# Altium PCB PCB2.PcbDoc
Units mil, origin at the board's own origin, x right, y up, seen from the top; angles counter-clockwise.
Board outline 3500 x 2610 mil, 2 copper layers (Top Layer, Bottom Layer); 20 components, 23 nets, 95 pads, 7 vias.
Unrouted connection lines stored in the file: 4.
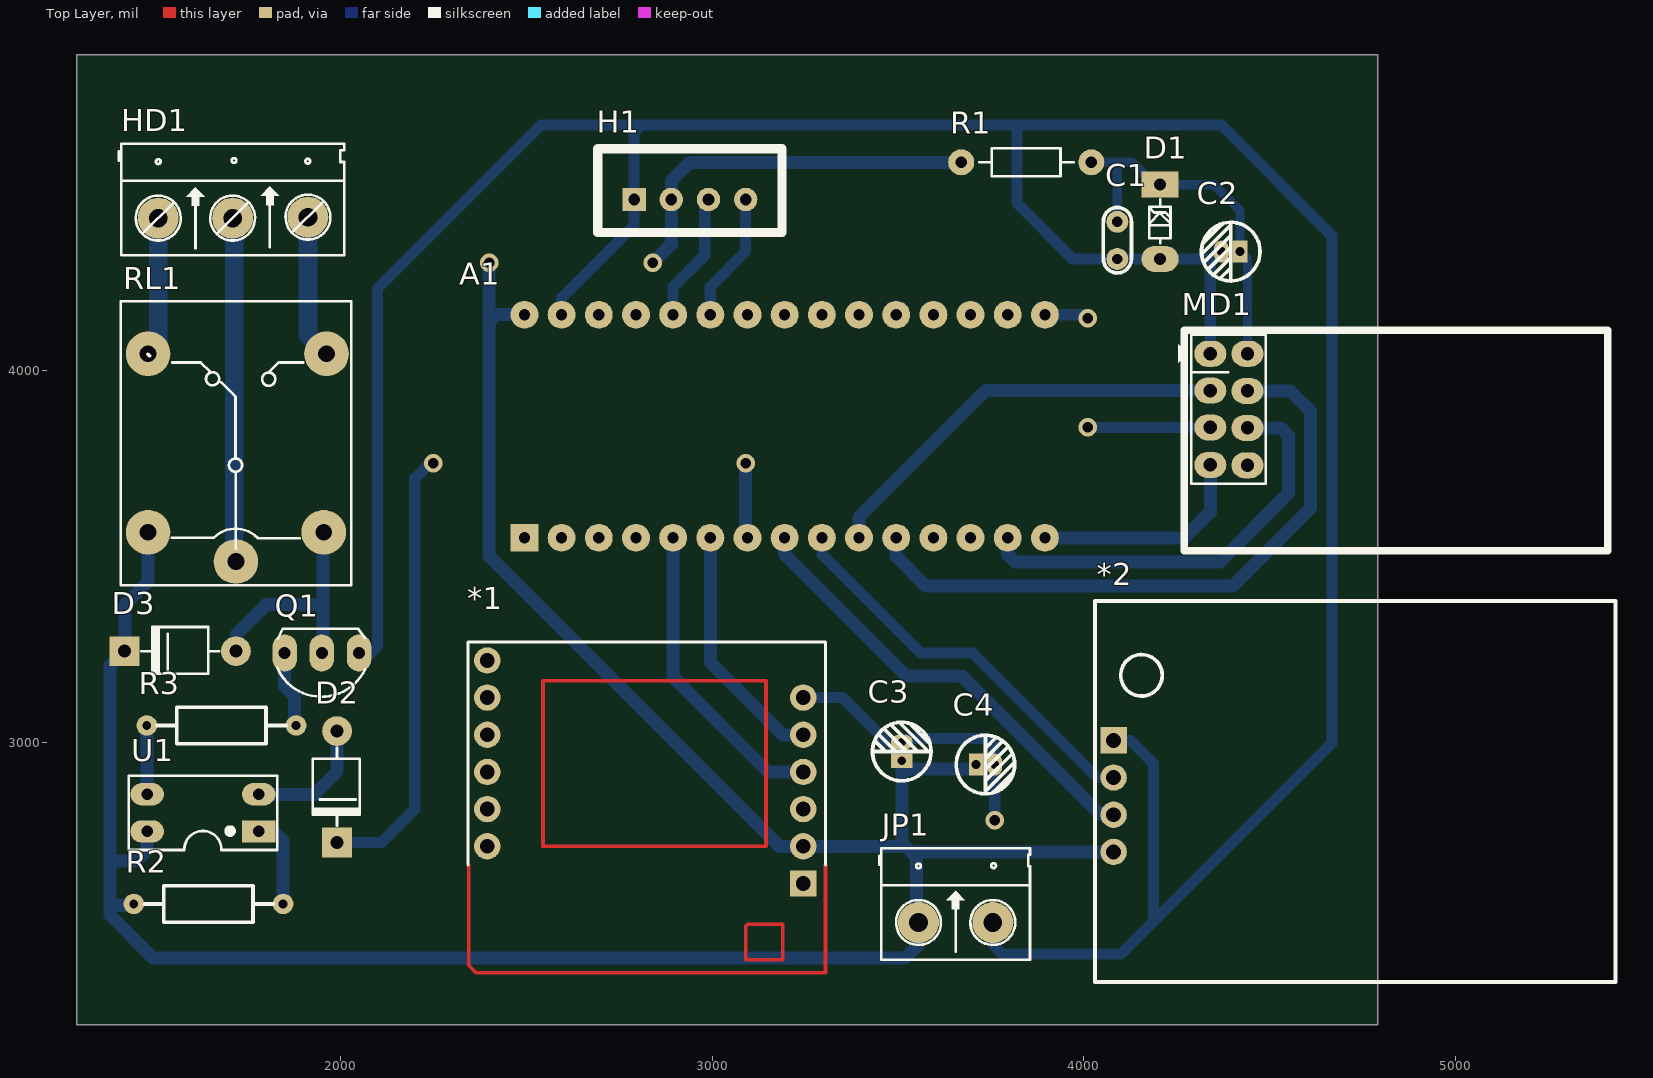
[diagram p0: Top Layer view]
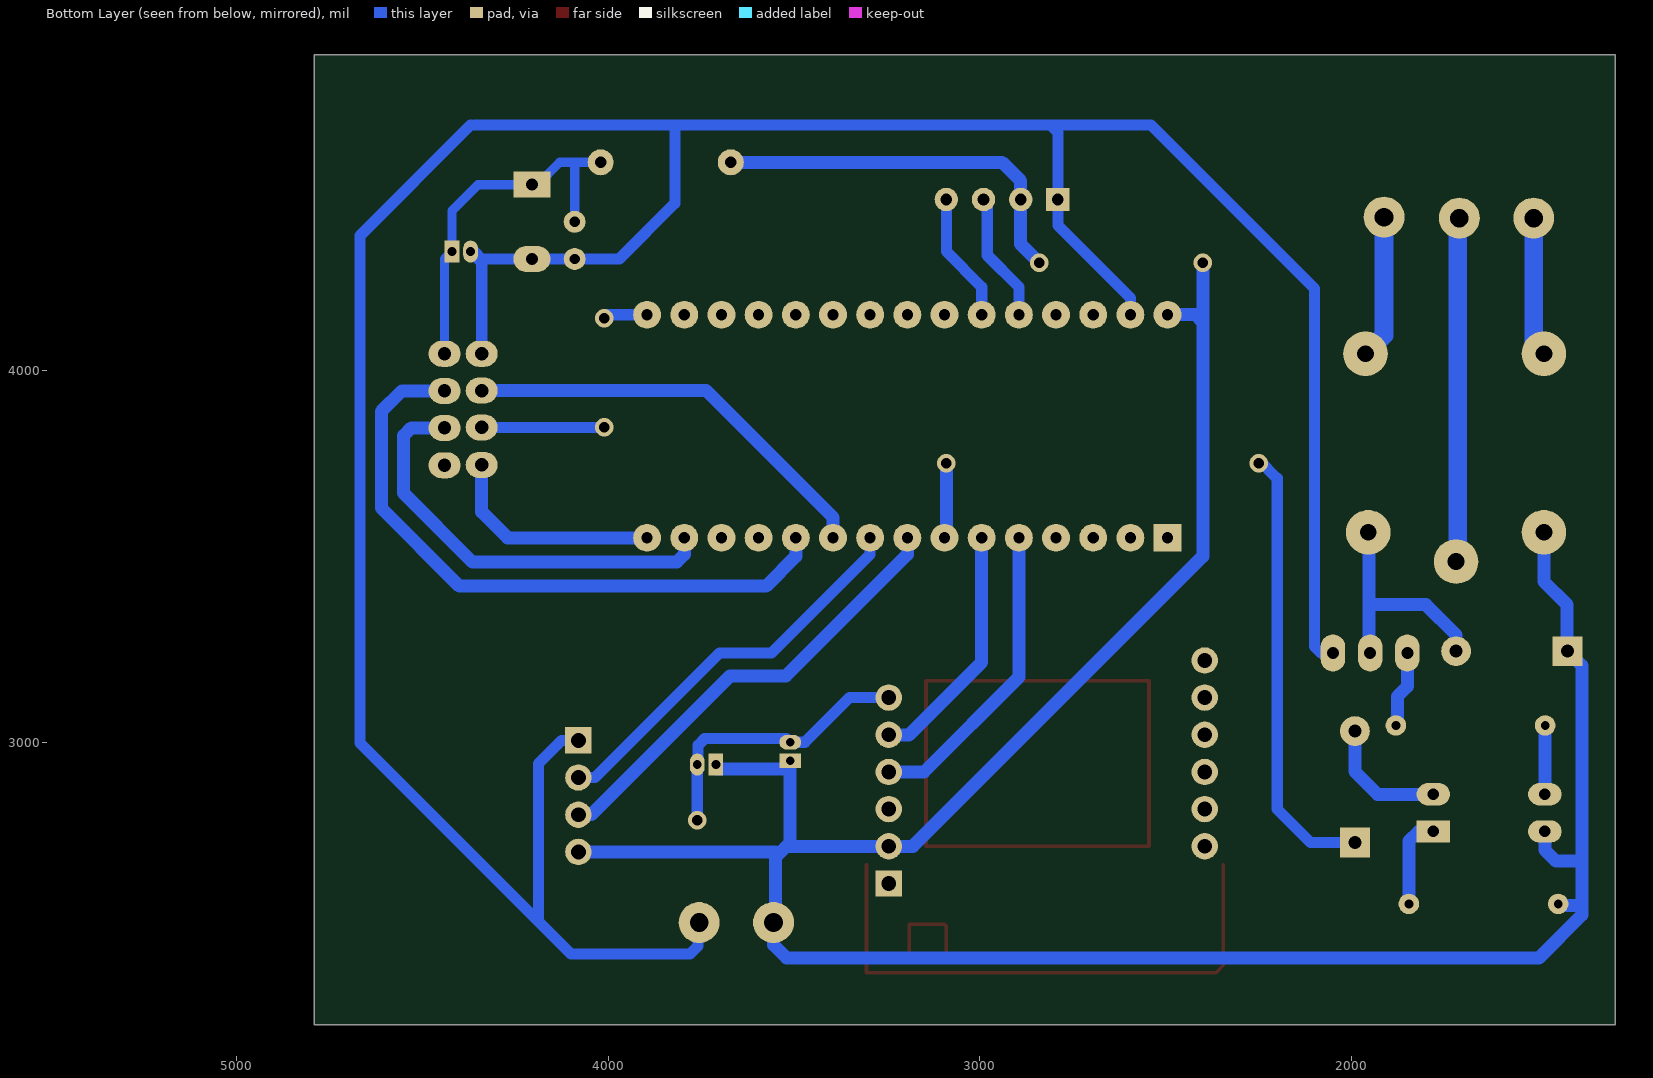
[diagram p1: Bottom Layer view, seen from below]
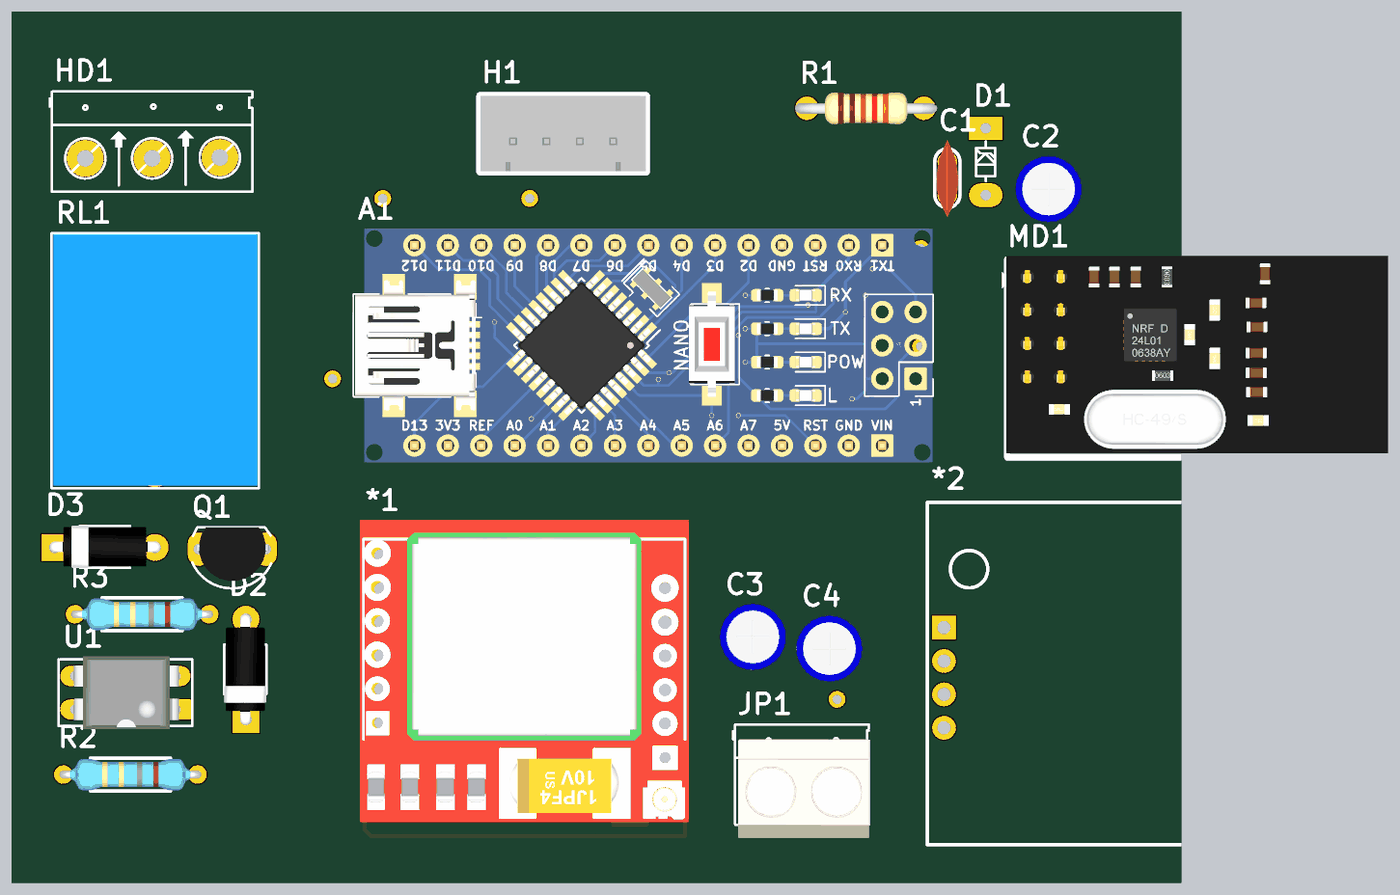
[diagram p2: 3D render of the assembled board from above, using the file's embedded part models]

## Layer stack, top to bottom
Top Solder: solder mask 0.4, Solder Resist, Dk 3.5
Top Layer: signal copper 1.4
Dielectric 1: dielectric 12.6, FR-4, Dk 4.8
Bottom Layer: signal copper 1.4
Bottom Solder: solder mask 0.4, Solder Resist, Dk 3.5

## Board outline
1290,2240 4790,2240 4790,4850 1290,4850

## Design rules (kind name [scope] priority, off if disabled: settings)
Clearance [All] p1: gap=0 ignorepadtopadclearanceinfootprint=FALSE
PolygonConnect [All] p1: connectstyle=Relief reliefconductorwidth=10 reliefentries=4 polygonreliefangle="90 Angle" airgapwidth=10
RoutingVias [All] p1: holewidth=28 width=50 viastyle="Through Hole" minholewidth=28 minwidth=50 maxholewidth=28 maxwidth=50
SolderMaskExpansion [All] p1: expansion=4
UnRoutedNet [All] p1: checkbadconnections=TRUE
Width GND [InNet('GND')] p1: maxlimit=40 minlimit=30 preferedwidth=35
Width VCC [InNet('+5')] p2: maxlimit=45 minlimit=35 preferedwidth=40
Width net [All] p3: maxlimit=35 minlimit=25 preferedwidth=40
Width [All] p4: maxlimit=10 minlimit=10 preferedwidth=10
29 further rules are at their usual default settings.

## Components (designator, comment, footprint, x,y, rotation, side; value= is the part's Value field where it differs from the comment)
*1 "sim800l" "SIM 800L" 3240,2720 r180 top
*2 "Component_1" "NEO6M - duplicate1" 4080,3005 r0 top
A1 "Nano" "Arduino nano" 2335,3490 r0 top
C1 "103" "tu gom" 4090,4350 r270 top
C2 "10uF" "tu hoa 4mm" 4395,4320 r180 top
C3 "10uF" "tu hoa 4mm" 3510,2975 r90 top
C4 "10uF" "tu hoa 4mm" 3735,2940 r0 top
D1 "3V3" DZ0.5A 4205,4300 r270 top value=3v3
D2 "100v" "DIODE 1A" 1990.86,3080 r90 top
D3 "100v" "DIODE 1A" 1768.99,3245 r0 top
H1 "LCD_I2C" XH2.54M-4 2790,4460 r0 top
HD1 "Header 3" HED3 1510,4410 r0 top
JP1 "Header 2_1" HED2 3555,2515 r0 top value="Header 2"
MD1 "NRF24L01 Module" NRF24L01 4340,4045 r270 top
Q1 "C1815" TO92 1950,3240 r180 top value=C9014
R1 "Res1" R1/4W 4020,4560 r180 top value=1K
R2 "1.2k" "tro vach 1/4w" 1645,2565 r0 top
R3 "1.2k" "tro vach 1/4w" 1680,3045 r0 top
RL1 "Relay" "Relay 5 Chan SRD" 1718.78,3485.91 r90 top
U1 "OPTO PC817 DIP4" DIP4 1782.52,2760 r90 top value=PC817

## Footprints (in the part's own frame and the unit in brackets; to place one, negate y for a bottom-side part, rotate by r counter-clockwise, add the part's x,y. Pads: shape width x height; smd on the part's side, far side on the other; paste and mask are expansions set on the pad)
"Arduino nano" [mil] "arduino nano"
  rect 75x75 hole 30: 0(160,60)
  round 75 hole 30: 1(260,60) 2(360,60) 3(460,60) 4(560,60) 5(660,60) 6(760,60) 7(860,60) 8(960,60) 9(1060,60) 10(1160,60) 11(1260,60) 12(1360,60) 13(1460,60) 14(1560,60) 15(1560,660) 16(1460,660) 17(1360,660) 18(1260,660) 19(1160,660) 20(1060,660) 21(960,660) 22(860,660) 23(760,660) 24(660,660) 25(560,660) 26(460,660) 27(360,660) 28(260,660) 29(160,660)
  body extent -25,10 1715,710, height 507
"DIODE 1A" [mil] "Diode 1A"
  round 80 hole 35: 1(-50,0)
  rect 80x80 hole 35: 2(-350,0)
  silkscreen extent -305,-61 -95,65, body extent -366,-61 -34,65, height 122
DIP4 [mil] "W.300/L.400"
  rect 60x90 hole 31: 1(0,2.52)
  oval 60x90 hole 31: 2(100,2.52) 3(100,302.52) 4(0,302.52)
  silkscreen extent -50,-47 150,353, body extent -59,-7 159,307, height 170
DZ0.5A [mil] "Diode Zenner, W 80mil, L 300mil"
  oval 70x100 hole 32: 1(0,0)
  rect 70x100 hole 32: 2(-200,0)
  silkscreen extent -161,-29 -42,28
HED2 [mil] "Header 2, 2 pin, hight 300mil, Pin to Pin 200, Colour Green"
  round 110 hole 50: 1(0,0) 2(200,0)
  silkscreen extent -106,-100 300,200, body extent -92,-140 302,155, height 394
HED3 [mil] "Header 3, 3 pin, hight 300mil, Pin to Pin 200, Colour Green"
  round 110 hole 50: 1(0,0) 2(200,0) 3(402.62,2.62)
  silkscreen extent -106,-100 500,200
"NEO6M - duplicate1" [mm]
  rect 1.8x1.8 hole 1.016: 1(0,0)
  round 1.8 hole 1.016: 2(0,-2.54) 3(0,-5.08) 4(0,-7.62)
  silkscreen extent -1.27,-16.51 34.29,9.53, body extent -1.27,-16.51 34.29,9.83, height 8.89
NRF24L01 [mil]
  oval 70x86 hole 36: 1(0,0) 2(0,100) 3(99,0) 4(100,100) 5(198,0) 6(199.5,100) 7(299,0) 8(300,100)
  silkscreen extent -63,-86 530,1069, body extent -73,-74 518,1068, height 588
R1/4W [mil] "R 1/4W, 2 Pin, 350mil"
  round 70 hole 31: 1(0,0) 2(350,0)
  silkscreen extent 48,-38 302,38, body extent -40,-47 386,47, height 111
"Relay 5 Chan SRD" [mil] "Relay SPDT, 5 pin, 10A,W 650mil, L 800mil, H 800mil"
  round 120 hole 45: 1(0,0) 2(559.06,236.22) 3(559.06,-243.78) 4(78.74,-236.22) 5(78.74,236.22)
  silkscreen extent -63,-311 700,310, body extent -55,-306 697,304, height 602
"SIM 800L" [mil]
  rect 70.87x70.87 hole 40: 1(-5,100)
  round 70.87 hole 40: 2(-5,0) 3(-5,-100) 4(-5,-200) 5(-5,-300) 6(-5,-400) 7(845,-500) 8(845,-400) 9(845,-300) 10(845,-200) 11(845,-100) 12(845,0)
  Top Layer lines w10: 895,50 895,320 875,340 -65,340 -65,50 ; 695,0 95,0 95,-445 695,-445 695,0 ; 150,305 150,215 145,210 50,210 50,305 150,305
  silkscreen extent -65,-550 897,50, body extent -76,-608 909,297, height 129
TO92 [mil] "TO-92"
  oval 66x100 hole 32: 1(-100,0) 2(0,0) 3(100,0)
  silkscreen extent -117,-65 120,118, body extent -109,-66 109,95, height 245
"tro vach 1/4w" [mm]
  round 1.4 hole 0.6: 1(-5.1,0) 2(5.1,0)
  silkscreen extent -4.39,-1.25 4.42,1.25, body extent -5.38,-1.2 5.38,1.2, height 2.41
"tu gom" [mm] "Tu gom mini"
  round 1.5 hole 0.7: 1(-1.27,0) 2(1.27,0)
  silkscreen extent -2.25,-0.97 2.22,0.97, body extent -2.92,-0.85 2.92,0.85, height 6.12
"tu hoa 4mm" [mm]
  rect 1x1.5 hole 0.6: 1(-0.635,0)
  oval 1x1.5 hole 0.6: 2(0.635,0)
  silkscreen extent -2,-2 2.01,2.01, body extent -2.47,-2.47 2.58,2.58, height 14.81
XH2.54M-4 [mm]
  rect 1.6x1.6 hole 0.8: 1(0,0)
  round 1.6 hole 0.8: 2(2.54,0) 3(5.08,0) 4(7.62,0)
  silkscreen extent -2.48,-2.26 10.1,3.46, body extent -2.48,-2.26 10.1,3.48, height 6.91

## Part data
A1: library part "Arduino Nano"
C1: library part "Tu gom 103 50V", "C?m", Chung_Loai=C?m, Don_Vi=Con, Ma_Hang=MH000936, So_Chan=2, Ten_Linh_Kien="T? g?m 103 10nF 50V"
C2 C3 C4: library part "Tu Hoa 10uF 16V 4x7", "C?m", Chung_Loai=C?m, Don_Vi=Con, Ma_Hang=MH006855, So_Chan=2, Ten_Linh_Kien="T? Hóa 10uF 16V"
D1: library part DZ, "Diode Zenner"
D2 D3: library part "Diode 1N4007", "C?m", Chung_Loai=C?m, Don_Vi=Con, Ma_Hang=MH001063, Ten_Linh_Kien="Diode 1N4007 1A (DIP)"
H1: library part "Header 4P 2.54 Duc Thang", "C?m", Chung_Loai=C?m, Don_Vi=Con, Ma_Hang=MH001285, Ten_Linh_Kien="Header 4P XH2.54-4P Ð?c Th?ng"
HD1: library part Hed3, "Header 3 (Green)"
JP1: "Header, 2-Pin", Manufacturer="Generic Components", Class=Connector
Q1: "NPN transistor", =C9012
R1: library part Res1_4, "Resistor", Manufacturer="Generic Components", Class=Passive, Published=08/06/2000, Publisher="Altium Hobart Technology Centre", SubClass=Resistor
R2 R3: library part "Tro Vach 1/4W 5% 1.2k", "C?m", Chung_Loai=C?m, Don_Vi=Con, Ma_Hang=MH007348, So_Chan=2, Ten_Linh_Kien="Tr? V?ch 1/4w 5% 1.2k"
RL1: library part "Relay 5 Chan SRD", "Relay 5 Chan", Ma_Hang=MH009374, Ten="Relay 5V10A SRD-05VDC-SL-C Chính H?ng"
U1: "Single Opto"

## Via types
v1: diameter 50, hole 28, Top Layer to Bottom Layer, 7 vias

## Nets (pads, with @x,y where several pads share a name; then routed paths per layer and width w, separated by ;. In a path a pad name is that pad's centre, name@x,y a point inside that pad or via, vN(x,y) a via of type N, cw(c..) or ccw(c..) an arc to the next point about the centre after c; other vN are vias at no path point)
2: *1.4 A1.4 | length 830.6
  Bottom Layer w35: A1.4 2895,3175 3150,2920 *1.4
3: *1.5 A1.5 | length 665.8
  Bottom Layer w35: A1.5 2995,3215 3190,3020 *1.5
5: *2.3 A1.7 | length 1219.9
  Bottom Layer w35: A1.7 3195,3505 3521.46,3178.54 3671.46,3178.54 4045,2805 *2.3
6: *2.2 A1.8 | length 1078.5
  Bottom Layer w30: A1.8 3295,3505 3560,3240 3700,3240 4035,2905 *2.2
7: A1.9 MD1.3 | length 1141.2
  Bottom Layer w35: A1.9 3395,3605 3736,3946 MD1.3
8: A1.10 MD1.4 | length 1737.9
  Bottom Layer w35: A1.10 3495,3500 3575,3420 4400,3420 4610,3630 4610,3890 4555,3945 MD1.4
11: A1.13 MD1.6 | length 1158.4
  Bottom Layer w35: A1.13 3795,3505 3815,3485 4365,3485 4550,3670 4550,3825 4529.5,3845.5 MD1.6
12: A1.14 MD1.7 | length 600
  Bottom Layer w35: A1.14 4270,3550 4340,3620 MD1.7
13: A1.15 MD1.5 | length 445
  Bottom Layer w30: A1.15 v1@4010,4150 ; v1(4010,3847) MD1.5
  other v1: 4010,4140
+5: *1.2 *2.4 A1.29 C3.1 C4.1 D3.2 H1.2 JP1.1 R1.2 R2.1 RL1.5 U1.4 | length 8206.6
  Bottom Layer w35: R2.1@1440.36,2568.85 R2.1 1440.36,2561.15 1381.15,2561.15 1380,2560 ; U1.4 1480,2710 1450,2680 1380,2680 ; RL1.5 1482.56,3432.56 1420,3370 1420,3246.01 D3.2 1380,3206.01 1380,2680 ; v1(2400,4290) 2400,4130 ; A1.29 2420,4150 2400,4130 ; v1(2840,4290) 2890,4340 H1.2 2890,4510 2940,4560 R1.2 ; C3.1 3510,2730 3520,2720 ; 3512.19,2927.81 3512.34,2927.97 3707.81,2927.97 3710,2930.16 C4.1 3710,2945.63 C4.1@3707.81,2947.81 ; *2.4@4073.14,2711.86 *2.4 3550,2705 3550,2690 ; 1380,2560 1380,2680 ; 1380,2560 1380,2535.5 1495.5,2420 3520,2420 3555,2455 JP1.1 3550,2520 3550,2690 ; 2400,4130 2400,3500 3180,2720 *1.2 3520,2720 ; 3520,2720 3550,2690
A4: A1.25 H1.3 | length 359.4
  Bottom Layer w30: A1.25@2900,4150 A1.25 2895,4225 2980,4310 2980,4450 H1.3 H1.3@2985,4460
A5: A1.24 H1.4 | length 359.4
  Bottom Layer w30: A1.24@3000,4150 A1.24 2995,4225 3090,4320 H1.4 H1.4@3085,4460
D4: A1.6 D2.2 | length 1409.2
  Bottom Layer w30: D2.2 2110,2730 2200,2820 2200,3710 v1@2250,3760
  Bottom Layer w35: v1(3090,3750) 3090,3555 A1.6
  other v1: 2250,3750
GND: *1.6 *2.1 A1.28 C1.2 C2.2 C3.2 C4.2 D1.1 H1.1 JP1.2 MD1.1 Q1.1 | length 9558.6
  Bottom Layer w30: Q1.1@2050,3257 Q1.1 2082.43,3240 2100,3257.57 2100,4220 2540,4660 2810,4660 ; A1.28 2595,4195 2790,4390 H1.1 2790,4640 2810,4660 ; *1.6 3350,3120 3470,3000 C3.2 3520,3010 3740,3010 3758.21,2991.79 3758.21,2941.79 C4.2 v1(3760,2790) ; JP1.2@3754.6,2512.2 JP1.2@3758.33,2511.67 ; JP1.2@3758.21,2518.21 JP1.2 JP1.2@3758.33,2511.67 ; JP1.2@3772.5,2512.5 3770,2510 JP1.2@3758.33,2511.67 ; *2.1 4125,3005 4187.57,2942.43 4187.57,2517.57 ; MD1.1 4340,4290 C2.2 4360,4320 4340,4300 D1.1 C1.2 3970,4300 3820,4450 3820,4660 ; 4360,4660 3820,4660 ; 4370,4660 4667.5,4362.5 4667.5,2997.5 4187.57,2517.57 ; 2810,4660 3820,4660 ; JP1.2@3758.33,2511.67 3758.33,2451.67 3780,2430 4100,2430 4187.57,2517.57
NetC1_1: C1.1 C2.1 D1.2 MD1.2 R1.1 | length 1007.1
  Bottom Layer w25: R1.1 4090,4560 ; C1.1 4090,4560 ; MD1.2 4440,4300 C2.1 4420,4430 4350,4500 D1.2 4190,4500 4130,4560 4090,4560
NetD2_1: D2.1 U1.2 | length 345.2
  Bottom Layer w35: U1.2 1930,2860 1990.86,2920.86 D2.1
NetD3_1: D3.1 Q1.2 RL1.4 | length 637.8
  Bottom Layer w35: D3.1 1718.99,3288.99 1800,3370 1952.5,3370 ; Q1.2 1952.5,3242.5 1952.5,3370 ; RL1.4 1952.5,3562.15 1952.5,3370
NetHD1_1: HD1.1 RL1.2 | length 376.4
  Bottom Layer w30: RL1.2 RL1.2@1510,4072.41
  Bottom Layer w50: RL1.2@1510,4072.41 HD1.1
NetHD1_2: HD1.2 RL1.1 | length 929.5
  Bottom Layer w30: HD1.2 HD1.2@1714.39,4405.61 ; RL1.1@1714.39,3490.3 RL1.1
  Bottom Layer w35: RL1.1 RL1.1@1720,3487.13
  Bottom Layer w50: RL1.1@1714.39,3490.3 HD1.2@1714.39,4405.61
NetHD1_3: HD1.3 RL1.3 | length 388.3
  Bottom Layer w50: HD1.3 1912.62,4094.91 RL1.3
NetQ1_3: Q1.3 R3.2 | length 207.8
  Bottom Layer w35: Q1.3 1850,3150 1876.94,3123.06 1876.94,3048.85 R3.2
NetR2_2: R2.2 U1.1 | length 245.7
  Bottom Layer w35: U1.1 1820,2760 1845.79,2734.21 R2.2
NetR3_1: R3.1 U1.3 | length 185.3
  Bottom Layer w35: R3.1 1479.61,3044.61 1479.61,2860.39 U1.3
pads on no net: *1.1 *1.3 *1.7 *1.8 *1.9 *1.10 *1.11 *1.12 A1.0 A1.1 A1.2 A1.3 A1.11 A1.12 A1.16 A1.17 A1.18 A1.19 A1.20 A1.21 A1.22 A1.23 A1.26 A1.27 MD1.8